# Altium PCB Nucleo Shield.PcbDoc (continued)
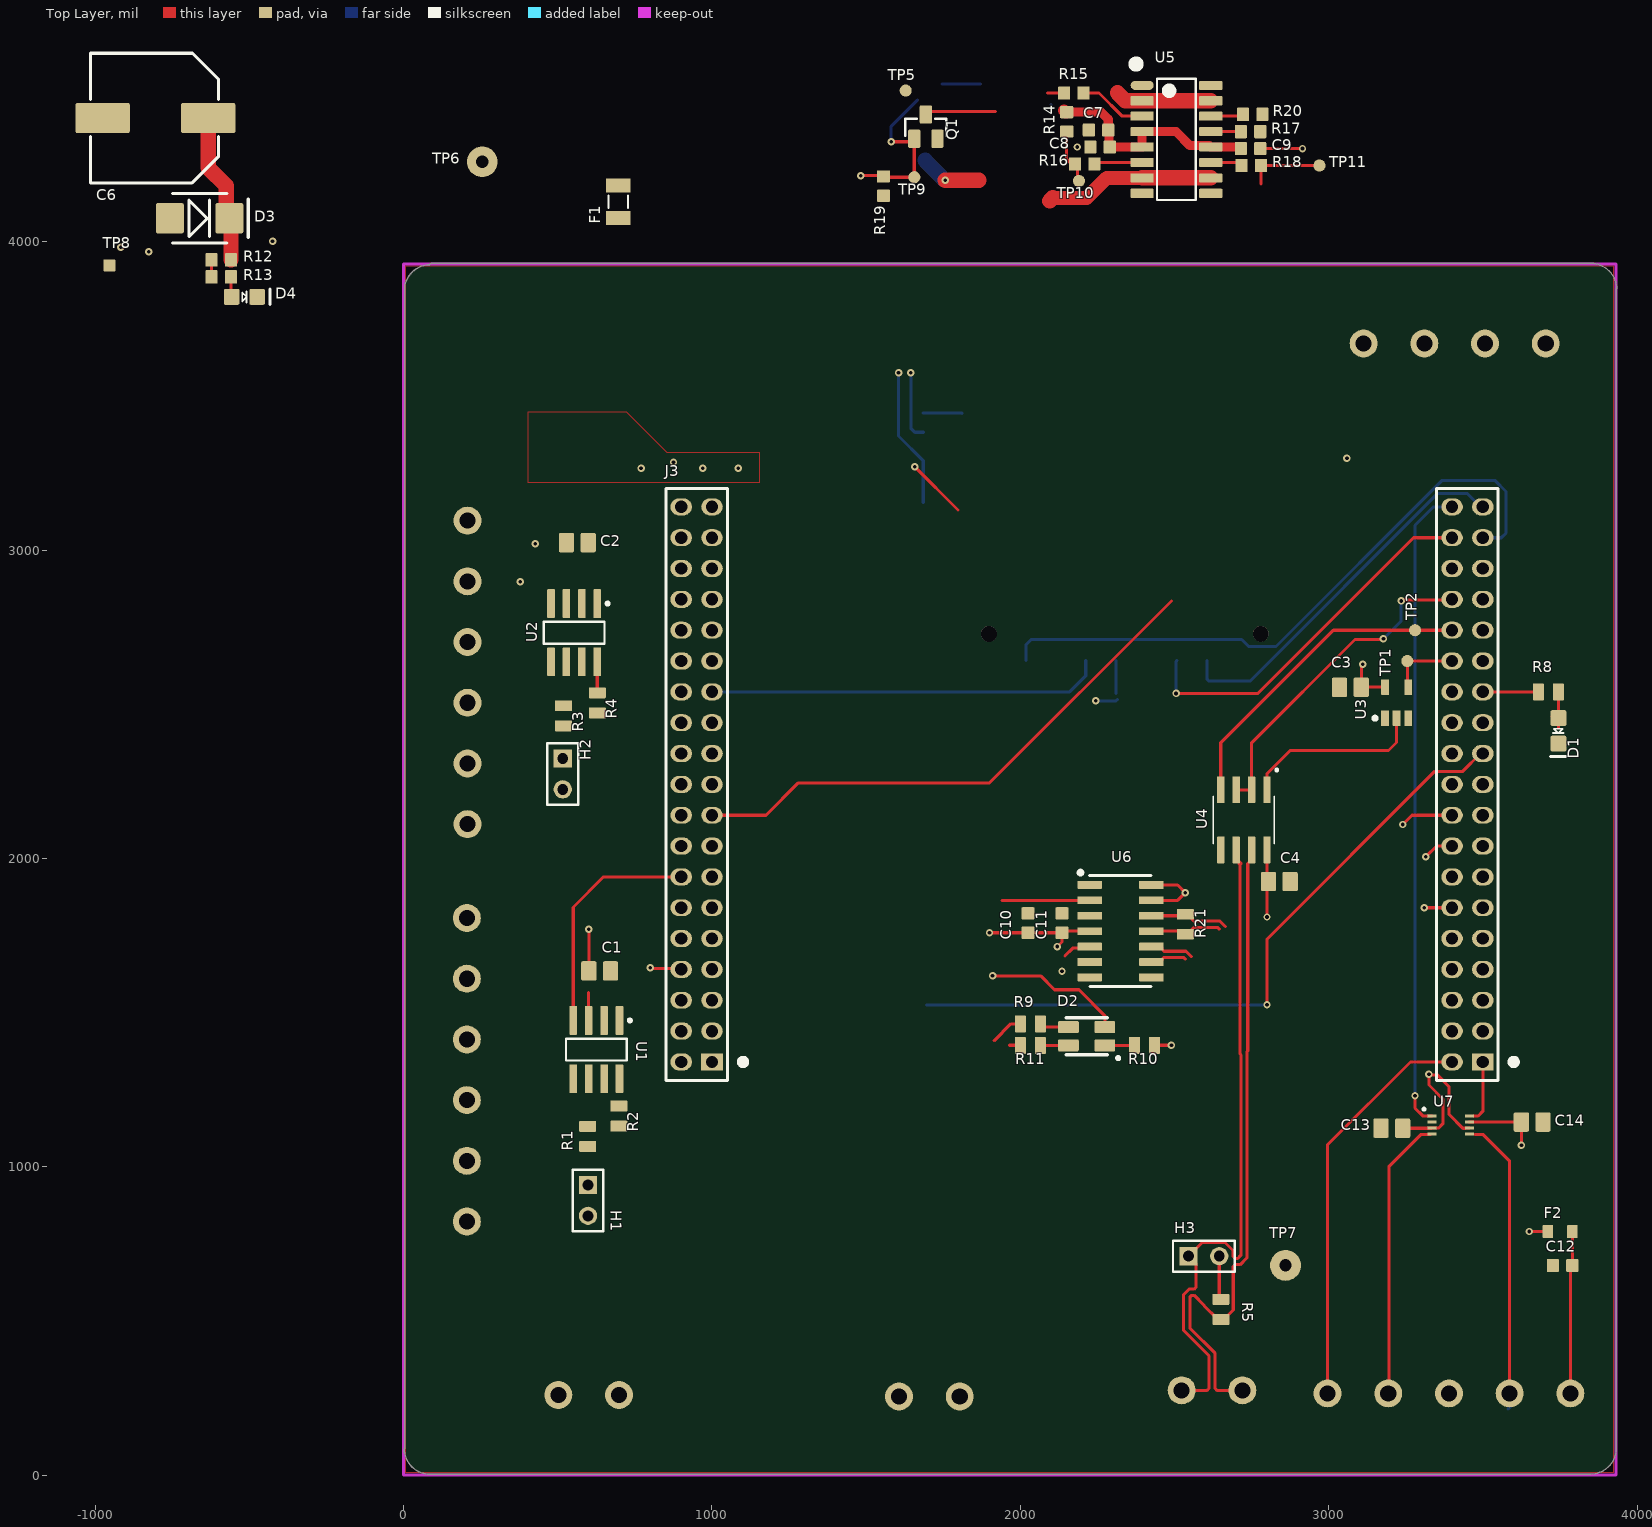
[diagram p0: Top Layer view]
## Components (designator, comment, footprint, x,y, rotation, side; value= is the part's Value field where it differs from the comment)
C1 "CAP_0.1uF_50V_0805" CAP2012 635.76,1635 r0 top value=0.1μF
C2 "CAP_0.1uF_50V_0805" CAP2012 563.24,3024 r0 top value=0.1μF
C3 "CAP_0.1uF_50V_0805" CAP2012 3070.24,2555 r180 top value=0.1μF
C4 "CAP_0.1uF_50V_0805" CAP2012 2839.76,1925 r0 top value=0.1μF
C5 "CAP_0.1uF_50V_0805" CAP2012 2349.76,2515 r180 bottom locked value=0.1μF
C6 "CAP_270uF_50V_ALUM" RADIAL_PANASONIC_G -805,4401 r90 top value=270μF
C7 "CAP_0.1uF_50V_0603" CAP0603 2253.5,4362 r0 top value=0.1μF
C8 "CAP_0.1uF_50V_0603" CAP0603 2258.5,4307 r0 top value=0.1μF
C9 "CAP_0.1uF_50V_0603" CAP0603 2746.5,4302 r0 top value=0.1μF
C10 "CAP_1uF_25V_0603" CAP0603 2025,1790.5 r270 top value=1μF
C11 "CAP_0.1uF_50V_0603" CAP0603 2135,1790.5 r270 top value=0.1μF
C12 "CAP_0.1uF_50V_0603" CAP0603 3758.5,680 r0 top value=0.1μF
C13 "CAP_0.1uF_50V_0805" CAP2012 3204.76,1125 r0 top value=0.1μF
C14 "CAP_0.1uF_50V_0805" CAP2012 3659.76,1145 r0 top value=0.1μF
D1 "LED_GREEN" LED_0805_GREEN 3745,2413.66 r270 top
D2 "LED_RGB" LED_RGB 2215,1423.31 r90 top
D3 "TVS_DIODE_UNIDIR_26V" TVS_DIODE_UNIDIRECTIONAL_SMB -661.46,4076 r180 top
D4 "LED_GREEN" LED_0805_GREEN -516.34,3821 r0 top
F1 "FUSE_5A_1206" FUSE_1206 696,4129.5 r270 top
F2 "FUSE_250mA_0603" FUSE_0603 3750.43,790 r180 top
H1 "JUMPER" HDR1X2 598,941 r270 top
H2 "JUMPER" HDR1X2 516,2324 r270 top
H3 "JUMPER" HDR1X2 2545,710 r0 top
J1 "CON_6POS_SCREW_TERM" 1935200 205,1806.7 r270 bottom
J2 "CON_6POS_SCREW_TERM" 1935200 207,3095.4 r270 bottom
J3 "HEADER_NUCLEO" HEADER_NUCLEO 2200,2240 r180 top locked
J4 "CON_SD_CARD" HRS_DM1AA-SF-PEJ(21) 2335,3230 r0 bottom locked
J5 "CON_4M_TERM" 1935187 3408.57,3670 r180 bottom
J6 "CON_2POS_SCREW_TERM" 1935161 2621.57,275 r180 bottom
J7 "CON_2POS_SCREW_TERM" 1935161 1705,255 r180 bottom
J8 "CON_2POS_SCREW_TERM" 1935161 600,260 r180 bottom
J9 "CON_5POS_SCREW_TERM" 1935190 3390,265 r0 bottom
Q1 "NMOS_30V_2.2A" NMOS_SSOT-3 1693.4,4373.37 r0 top
R1 "RES_120Ω_0805_1%" RESC0805 597,1098.48 r270 top value=120Ω
R2 "RES_0Ω_0805" RESC0805 698,1164.48 r90 top value=0Ω
R3 "RES_120Ω_0805_1%" RESC0805 518,2462.52 r270 top value=120Ω
R4 "RES_0Ω_0805" RESC0805 628,2504.48 r90 top value=0Ω
R5 "RES_120Ω_0805_1%" RESC0805 2650,537.52 r90 top value=120Ω
R6 "RES_10kΩ_0603_5%" RESC0603 1685,3445 r270 bottom locked value=10kΩ
R7 "RES_10kΩ_0603_5%" RESC0603 1685,3092.01 r90 bottom locked value=10kΩ
R8 "RES_120Ω_0805_1%" RESC0805 3712.52,2540 r0 top value=120Ω
R9 "RES_20Ω_0805_1%" RESC0805 2032.52,1463.31 r180 top value=20Ω
R10 "RES_120Ω_0805_1%" RESC0805 2402.48,1394 r180 top value=120Ω
R11 "RES_20Ω_0805_1%" RESC0805 2032.52,1393.31 r180 top value=20Ω
R12 "RES_1kΩ_0603_5%" RESC0603 -622.99,3941 r0 top value=1kΩ
R13 "RES_1kΩ_0603_5%" RESC0603 -560,3886 r180 top value=1kΩ
R14 "RES_1kΩ_0603_5%" RESC0603 2150,4357 r90 top value=1kΩ
R15 "RES_1kΩ_0603_5%" RESC0603 2142.01,4482 r0 top value=1kΩ
R16 "RES_1kΩ_0603_5%" RESC0603 2177.01,4252 r0 top value=1kΩ
R17 "RES_1kΩ_0603_5%" RESC0603 2777.99,4357 r180 top value=1kΩ
R18 "RES_1kΩ_0603_5%" RESC0603 2780,4247 r180 top value=1kΩ
R19 "RES_1kΩ_0603_5%" RESC0603 1556,4149 r90 top value=1kΩ
R20 "RES_1kΩ_0603_5%" RESC0603 2785,4413 r180 top value=1kΩ
R21 "RES_120Ω_0805_1%" RESC0805 2535,1786.48 r90 top value=120Ω
TP1 "TESTPOINT_1MM_CIRCLE" TESTPOINT_CIRCLE_1MM 3255,2640 r270 top
TP2 "TESTPOINT_1MM_CIRCLE" TESTPOINT_CIRCLE_1MM 3280,2740 r270 top
TP5 "TESTPOINT_1MM_CIRCLE" TESTPOINT_CIRCLE_1MM 1628,4490 r180 top
TP6 "TESTPOINT_LOOP" TESTPOINT_LOOP 255,4259 r180 top
TP7 "TESTPOINT_LOOP" TESTPOINT_LOOP 2860,680 r180 top
TP8 "TESTPOINT_1MM_SQUARE" TESTPOINT_SQUARE_1MM -954,3923 r270 top
TP9 "TESTPOINT_1MM_CIRCLE" TESTPOINT_CIRCLE_1MM 1656,4209 r90 top
TP10 "TESTPOINT_1MM_CIRCLE" TESTPOINT_CIRCLE_1MM 2190,4197 r0 top
TP11 "TESTPOINT_1MM_CIRCLE" TESTPOINT_CIRCLE_1MM 2970,4247 r0 top
U1 "IC_CAN_TRANSCEIVER" LT-S8_N 625,1380 r270 top
U2 "IC_CAN_TRANSCEIVER" LT-S8_N 553,2732 r270 top
U3 "IC_BUFFER" SN74LV1T34DBVR 3220,2505 r90 top
U4 "MAX485CSA" SOIC127P600X175-8N 2725,2125 r270 top
U5 "IC_MOTOR_DRIVER_ST" SO-16N 2506.22,4332 r0 top
U6 "MAX3491" MAX3491CSD+T 2325,1764 r0 top
U7 "IC_LVL_SHIFTER_2_CH" TXS0102QDCURQ1 3335,1165 r270 top

## Footprints (in the part's own frame and the unit in brackets; to place one, negate y for a bottom-side part, rotate by r counter-clockwise, add the part's x,y. Pads: shape width x height; smd on the part's side, far side on the other; paste and mask are expansions set on the pad)
1935161 [mm] "TERM BLK 2POS SIDE ENTRY 5MM PCB"
  round 2.3 hole 1.325: 1(-2.5,0) 2(2.5,0)
  silkscreen extent -5.01,-4.57 4.83,3.94, body extent -5.01,-5.06 5.39,3.94, height 11.41
1935187 [mm]
  round 2.3 hole 1.325: 1(-7.5,0) 2(-2.5,0) 3(2.5,0) 4(7.5,0)
  silkscreen extent -10.41,-4.06 9.78,4.32, body extent -10.79,-4.06 9.78,4.94, height 11.41
1935190 [mm]
  round 2.3 hole 1.325: 1(-10,0) 2(-5,0) 3(0,0) 4(5,0) 5(10,0)
  silkscreen extent -12.91,-4.06 12.49,4.32, body extent -13.1,-4.1 12.47,4.9, height 11.41
1935200 [mm]
  round 2.3 hole 1.325: 1(0,0) 2(5,0) 3(10,0) 4(15,0) 5(20,0) 6(25,0)
  silkscreen extent -2.91,-4.06 27.37,4.32, body extent -2.71,-4.45 27.86,4.55, height 11.41
CAP0603 [mm]
  rrect20% 1x1.1 smd: 1(-0.8,0) 2(0.8,0)
  body extent -0.87,-0.48 0.88,0.48, height 0.87
CAP2012 [mm]
  rrect20% 1.25x1.6 smd: 1(-0.895,0) 2(0.895,0)
  body extent -1.1,-0.7 1.1,0.75, height 1.41
FUSE_0603 [mm] "Chip Fuse, Body 1.6x0.81mm"
  rrect15% 0.85x1.09 smd: 1(-1.005,0) 2(1.005,0)
  body extent -0.8,-0.38 0.8,0.38, height 0.75
FUSE_1206 [mil]
  rect 45x80 smd mask+1: 1(-52.5,0) 2(52.5,0)
  silkscreen extent -20,-32 20,32, body extent -65,-32 65,32, height 32
HDR1X2 [mm] "Connector; Header; 2 Position"
  rect 1.5x1.5 hole 0.9: 1(0,0)
  round 1.5 hole 0.9: 2(2.54,0)
  silkscreen extent -1.27,-1.27 3.81,1.27, body extent -1.27,-1.27 3.81,1.27, height 6.35
HEADER_NUCLEO [mil] "Nucleo board's header"
  rect 70x55 hole 40: 1(-1300,900) 39(1200,900)
  oval 70x55 hole 40: 2(-1200,900) 3(-1300,800) 4(-1200,800) 5(-1300,700) 6(-1200,700) 7(-1300,600) 8(-1200,600) 9(-1300,500) 10(-1200,500) 11(-1300,400) 12(-1200,400) 13(-1300,300) 14(-1200,300) 15(-1300,200) 16(-1200,200) 17(-1300,100) 18(-1200,100) 19(-1300,0) 20(-1200,0) 21(-1300,-100) 22(-1200,-100) 23(-1300,-200) 24(-1200,-200) 25(-1300,-300) 26(-1200,-300) 27(-1300,-400) 28(-1200,-400) 29(-1300,-500) 30(-1200,-500) 31(-1300,-600) 32(-1200,-600) 33(-1300,-700) 34(-1200,-700) 35(-1300,-800) 36(-1200,-800) 37(-1300,-900) 38(-1200,-900) 40(1300,900) 41(1200,800) 42(1300,800) 43(1200,700) 44(1300,700) 45(1200,600) 46(1300,600) 47(1200,500) 48(1300,500) 49(1200,400) 50(1300,400) 51(1200,300) 52(1300,300) 53(1200,200) 54(1300,200) 55(1200,100) 56(1300,100) 57(1200,0) 58(1300,0) 59(1200,-100) 60(1300,-100) 61(1200,-200) 62(1300,-200) 63(1200,-300) 64(1300,-300) 65(1200,-400) 66(1300,-400) 67(1200,-500) 68(1300,-500) 69(1200,-600) 70(1300,-600) 71(1200,-700) 72(1300,-700) 73(1200,-800) 74(1300,-800) 75(1200,-900) 76(1300,-900)
  silkscreen extent -1410,-960 1349,960, body extent -1350,-960 1350,960, height 335
HRS_DM1AA-SF-PEJ(21) [mm]
  rect 1.1x2 smd: 1(6.875,14.95) 2(4.375,14.95) 3(1.875,14.95) 4(-0.625,14.95) 5(-3.125,14.95) 6(-5.625,14.95) 7(-8.05,14.95) 8(-9.75,14.95) 9(9.375,14.95)
  rect 2x1 smd: 10(-13.3,3.55) 11(-13.3,-5.4) 12(-13.3,-8)
  rect 2x2 smd: 13(-13.7,8.2) 14(-13.7,-10.45) 15(15.3,-10.45) 16(15.3,8.2)
  round 1.3 hole 1.3 unplated: ""(-11.1,12.75) ""(11.3,12.75)
  silkscreen extent -13.2,-15.25 14.8,16.85, body extent -14.2,-15.25 15.8,15.25, height 2.9
LED_0805_GREEN [mm] "SMD, 2-Leads, Body 2x1.25mm"
  rrect20% 1.3x1.3 smd: 1(-1.05,0) 2(1.05,0)
  silkscreen extent -0.18,-0.63 2.11,0.64, body extent -1,-0.62 1,0.63, height 1.12
LED_RGB [mm]
  rrect20% 1x1.7 smd: 1(-0.75,-1.5) 2(-0.75,1.5) 3(0.75,1.5) 4(0.75,-1.5)
  silkscreen extent -1.92,-2.73 1.53,1.7, body extent -1.4,-1.75 1.4,1.75, height 1.89
LT-S8_N [mm] "SOP, 8-Leads, Body 4.9x3.9mm, Pitch 1.27mm, IPC Medium Density"
  rrect20% 2.375x0.625 smd: 1(-2.4,1.905) 2(-2.4,0.635) 3(-2.4,-0.635) 4(-2.4,-1.905) 5(2.4,-1.905) 6(2.4,-0.635) 7(2.4,0.635) 8(2.4,1.905)
  silkscreen extent -2.52,-2.5 0.9,2.88, body extent -2.91,-2.4 2.87,2.5, height 1.45
MAX3491CSD+T [mil] "RS-422/485 Transceiver footprint (14-SOIC)"
  rrect15% 80x25 smd: 1(-100,150) 2(-100,100) 3(-100,50) 4(-100,0) 5(-100,-50) 6(-100,-100) 7(-100,-150) 8(100,-150) 9(100,-100) 10(100,-50) 11(100,0) 12(100,50) 13(100,100) 14(100,150)
  silkscreen extent -135,-180 98,195, body extent -120,-173 117,173, height 67
NMOS_SSOT-3 [mm] "FDN337N"
  rrect20% 1x1.5 smd: 1(-0.95,-1) 2(0.95,-1) 3(0,1)
  silkscreen extent -1.7,-0.75 1.7,0.66, body extent -1.46,-1.41 1.46,1.1, height 1.12
RADIAL_PANASONIC_G [mm] "Size G radial surface mount capacitor"
  rrect15% 2.5x4.5 smd: 1(0,-4.35) 2(0,4.35)
  silkscreen extent -5.33,-5.21 5.33,5.33, body extent -5.15,-5.8 5.15,5.8, height 10.21
RESC0603 [mm] "Chip Resistor, Body 1.6x0.8mm, IPC Medium Density"
  rrect15% 1x1.1 smd: 1(0,0) 2(1.6,0)
  body extent 0,-0.4 1.6,0.4, height 0.46
RESC0805 [mm] "Chip Resistor, 2-Leads, Body 2.00x1.25mm, IPC High Density"
  rrect15% 0.9x1.4 smd: 1(-0.825,0) 2(0.825,0)
  body extent -1,-0.62 1,0.63, height 0.61
SN74LV1T34DBVR [mm] "SOT-23-5, Unidirectional level shifter"
  rrect15% 1.3x0.63 smd mask+0.05: 1(-1.279,0.95) 2(-1.279,0) 3(-1.279,-0.95) 4(1.279,-0.95) 5(1.279,0.95)
  silkscreen extent -1.42,1.64 -1.14,1.92, body extent -1.4,-1.45 1.4,1.45, height 1.2
SO-16N [mm]
  oval 1.9x0.75 smd: 1(-2.825,4.445)
  rrect15% 1.9x0.75 smd: 2(-2.825,3.175) 3(-2.825,1.905) 4(-2.825,0.635) 5(-2.825,-0.635) 6(-2.825,-1.905) 7(-2.825,-3.175) 8(-2.825,-4.445) 9(2.825,-4.445) 10(2.825,-3.175) 11(2.825,-1.905) 12(2.825,-0.635) 13(2.825,0.635) 14(2.825,1.905) 15(2.825,3.175) 16(2.825,4.445)
  silkscreen extent -3.45,-5 1.6,6.32, body extent -3,-5 3,5, height 1.75
SOIC127P600X175-8N [mm]
  rrect15% 2.2x0.6 smd: 1(-2.475,1.905) 2(-2.475,0.635) 3(-2.475,-0.635) 4(-2.475,-1.905) 5(2.475,-1.905) 6(2.475,-0.635) 7(2.475,0.635) 8(2.475,1.905)
  silkscreen extent -4.2,-2.51 1.95,2.8, body extent -3,-2.45 3,2.45, height 1.75
TESTPOINT_CIRCLE_1MM [mm]
  round 1 smd: 1(0,0)
TESTPOINT_LOOP [mm]
  round 2.54 hole 1.02: 1(0,0)
  body extent -1.27,-1.27 1.27,1.27, height 4.57
TESTPOINT_SQUARE_1MM [mm]
  rrect20% 1x1 smd: 1(0,0)
TVS_DIODE_UNIDIRECTIONAL_SMB [mm] "SMBJ26A"
  rrect15% 2.3x2.5 smd: 1(-2.45,0) 2(2.45,0)
  silkscreen extent -4,-2.03 2.25,2.03, body extent -2.7,-1.8 2.7,1.8, height 2.27
TXS0102QDCURQ1 [mm]
  rect 0.25x0.75 smd: 1(0,0) 2(0.5,0) 3(1,0) 4(1.5,0) 5(1.5,3.1) 6(1,3.1) 7(0.5,3.1) 8(0,3.1)
  silkscreen extent -0.66,-0.76 -0.46,-0.56, body extent -0.29,0.1 1.81,3.2, height 0.9

## Part data
C1 C2 C3 C4 C5 C13 C14: "CAP CER 0.1UF 50V X7R 0805", Dielectric=X7R, LCSC Part #=C49678, Manufacturer 1="Murata Electronics", Manufacturer Part Number 1=GCM21BR71H104KA37K, Package/Footprint=0805, Supplier Part Number 1=490-8049-1-ND, Voltage Rating=50V, Mounting Type=SMD, Supplier 1=Digi-Key
C6: "CAP ALUM 270uF 50VDC 20% SMD", Manufacturer 1="Panasonic Electronic Components", Manufacturer Part Number 1=EEE-FN1H271UP, Package/Footprint=SMD, Supplier Part Number 1=10-EEE-FN1H271UPCT-ND, Voltage Rating=50V, Mounting Type=SMD, Supplier 1=Digi-Key
C7 C8 C9 C11 C12: "CAP CER 0.1UF 50V X7R 0603", Dielectric=X7R, Manufacturer 1=Yageo, Manufacturer Part Number 1=CC0603KRX7R9BB104, Package/Footprint=0603, Supplier Part Number 1=311-1344-1-ND, Voltage Rating=50V, Mounting Type=SMD, Supplier 1=Digi-Key
C10: "CAP CER 1UF 25V X5R 0603", Dielectric=X5R, Manufacturer 1=Samsung, Manufacturer Part Number 1=CL10A105KA8NNNC, Package/Footprint=0603, Supplier Part Number 1=1276-1102-1-ND, Voltage Rating=25V, Mounting Type=SMD, Supplier 1=Digi-Key
D1 D4: "LED GREEN DIFFUSED 0805 SMD", Forward Voltage Drop=2.2V, Manufacturer 1=OSRAM, Manufacturer Part Number 1="LG R971-KN-1", Package/Footprint=0805, Supplier Part Number 1=475-1410-1-ND, Mounting Type=SMD, Supplier 1=Digi-Key
D2: "LED RGB DIFFUSED 4PLCC SMD", Color=Blue,Green,Red, Forward Voltage=3.1V, Lens Color=White, Manufacturer 1=Broadcom, Manufacturer Part Number 1=ASMB-MTB1-0A3A2, Package/Footprint=4-PLCC, Supplier Part Number 1=516-3280-1-ND, Test Current=20mA, Dominant Wavelength=470nm, Lens Style=Round, Lens Transparency=Diffused, Luminous Intensity=350mcd, Mounting Type=SMD, Number of Pins=4, Supplier 1=Digi-Key, Viewing Angle=115°
D3: "TVS DIODE 26V 42.1V SMB", Manufacturer 1=Littelfuse, Manufacturer Part Number 1=SMBJ26A, Package/Footprint=SMB, Supplier Part Number 1=SMBJ26ALFCT-ND, Mounting Type=SMD, Supplier 1=Digi-Key, Verified=No
F1: "FUSE BOARD MNT 5A 32VAC/VDC 1206", Current Rating=5A, Manufacturer 1=Littelfuse, Manufacturer Part Number 1=0466005.NRHF, Package/Footprint=1206, Supplier Part Number 1=F6019CT-ND, Mounting Type=SMD, Supplier 1=Digi-Key
F2: "FUSE SMD 250mA 32V", Current Rating=250mA, Manufacturer 1=Littelfuse, Manufacturer Part Number 1=0467.250NRHF, Package/Footprint=0603, Supplier Part Number 1=F6020CT-ND, Voltage Rating (DC)=32V, Mounting Type=SMD, Supplier 1=Digi-Key
H1 H2 H3: "HEADER 2X1", Manufacturer 1="Harwin Inc.", Manufacturer Part Number 1=M20-9990246, Package/Footprint=TH, Supplier Part Number 1=952-2262-ND, Mounting Type=TH, Supplier 1=Digi-Key
J1 J2: "TERM BLK 6POS SIDE ENTRY 5MM", Manufacturer 1="Phoenix Contact", Manufacturer Part Number 1=1935200, Package/Footprint=TH, Supplier Part Number 1=277-1581-ND, Mounting Type=TH, Pitch=5mm, Screw Thread=M2.6, Supplier 1=Digi-Key, Wire Gauge=12-26AWG
J3: "CONN HDR 38POS 0.1 GOLD PCB", Manufacturer 1=Sullins, Manufacturer Part Number 1=PPPC192LFBN-RC, Package/Footprint=TH, Supplier Part Number 1=S7122-ND, Mounting Type=TH, Supplier 1=Digi-Key, Verified=No
J4: "CONN SD CARD PUSH-PUSH R/A SMD", Manufacturer 1="Hirose Electric Co Ltd", Manufacturer Part Number 1=DM1AA-SF-PEJ(21), Supplier Part Number 1=HR845CT-ND, Supplier 1=Digi-Key
J5: "TERM BLK 4POS SIDE ENTRY 5MM PCB", Manufacturer 1="Phoenix Contact", Manufacturer Part Number 1=1935187, Package/Footprint=TH, Supplier Part Number 1=277-1579-ND, Mounting Type=TH, Pitch=5mm, Screw Thread=M2.6, Supplier 1=Digi-Key, Wire Gauge=12-26AWG
J6 J7 J8: "TERM BLK 2POS SIDE ENTRY 5MM", Manufacturer 1="Phoenix Contact", Manufacturer Part Number 1=1935161, Package/Footprint=SMD, Supplier Part Number 1=277-1667-ND, Mounting Type=TH, Supplier 1=Digi-Key
J9: "TERM BLK 5POS SIDE ENTRY 5MM", Manufacturer 1="Phoenix Contact", Manufacturer Part Number 1=1935190, Package/Footprint=TH, Supplier Part Number 1=277-1580-ND, Mounting Type=TH, Supplier 1=Digi-Key
Q1: "MOSFET N-CH 30V 2.2A SUPERSOT3", Manufacturer 1="ON Semiconductor / Fairchild", Manufacturer Part Number 1=FDN337N, Package/Footprint=SuperSOT-3, Supplier Part Number 1=FDN337NCT-ND, Id=2.2A, Mounting Type=SMD, Supplier 1=Digi-Key, Vdss=30V, Verified=No, Vgs (Max)=±8V
R1 R3 R5 R8 R10 R21: "RES 120 OHM 1% 1/8W 0805", LCSC Part #=C17437, Manufacturer 1=Vishay, Manufacturer Part Number 1=CRCW0805120RFKEA, Package/Footprint=0805, Supplier Part Number 1=541-120CCT-ND, Mounting Type=SMD, Supplier 1=Digi-Key
R2 R4: "RES 0 OHM JUMPER 1/8W 0805", LCSC Part #=C17477, Manufacturer 1="Panasonic Electronic Components", Manufacturer Part Number 1=ERJ-6GEY0R00V, Package/Footprint=0805, Supplier Part Number 1=P0.0ACT-ND, Mounting Type=SMD, Supplier 1=Digi-Key
R6 R7: "RES 10K OHM 5% 1/10W 0603", Manufacturer 1=Yageo, Manufacturer Part Number 1=RC0603JR-0710KL, Package/Footprint=0603, Supplier Part Number 1=311-10KGRCT-ND, Mounting Type=SMD, Supplier 1=Digi-Key
R9 R11: "RES 20 OHM 1% 1/8W 0805", LCSC Part #=C17581, Manufacturer 1=Yageo, Manufacturer Part Number 1=RC0805FR-0720RL, Package/Footprint=0805, Supplier Part Number 1=311-20.0CRCT-ND, Mounting Type=SMD, Supplier 1=Digi-Key
R12 R13 R14 R15 R16 R17 R18 R19 R20: "RES 1K OHM 5% 1/10W 0603", Manufacturer 1=Yageo, Manufacturer Part Number 1=RC0603JR-071KL, Package/Footprint=0603, Supplier Part Number 1=311-1.0KGRCT-ND, Mounting Type=SMD, Supplier 1=Digi-Key
TP1 TP2 TP5 TP9 TP10 TP11: "TESTPOINT 1MM CIRCLE"
TP6 TP7: "TESTPOINT THRUHOLE", Manufacturer 1="Keystone Electronics", Manufacturer Part Number 1=5002, Package/Footprint=TH, Supplier Part Number 1=36-5002-ND, Mounting Type=TH, Supplier 1=Digi-Key
TP8: "TESTPOINT 1MM SQUARE"
U1 U2: "IC TXRX CAN 4MBPS 8SO", LCSC Part #=C117076, Manufacturer 1="Linear Technologies", Manufacturer Part Number 1=LTC2875IS8#PBF, Package/Footprint=8-SOIC, Supplier Part Number 1=LTC2875IS8#PBF-ND, Mounting Type=SMD, Supplier 1=Digi-Key
U3: "IC BUF NON-INVERT 5.5V SOT23-5", LCSC Part #=C100024, Manufacturer 1="Texas Instruments", Manufacturer Part Number 1=SN74LV1T34DBVR, Package/Footprint=SOT-23-5, Supplier Part Number 1=296-37176-1-ND, Mounting Type=SMD, Supplier 1=Digi-Key
U4: "IC RS485 TRANSCEIVER HALF 1/1 8SOIC", LCSC Part #=C9945, Manufacturer 1="Maxim Integrated", Manufacturer Part Number 1=MAX485CSA+T, Package/Footprint=8-SOIC, Supplier Part Number 1=MAX485CSA+TCT-ND, Supply Voltage="4.75V - 5.25V", Data Rate=2.5Mbps, Mounting Type=SMD, Protocol="RS422, RS485", Supplier 1=Digi-Key
U5: "IC MOTOR DRIVER 4V-28V 16SOIC", Manufacturer 1=STMicroelectronics, Manufacturer Part Number 1=VNH7070BASTR, Output Current=15A, Package/Footprint=16-SOIC, Supplier Part Number 1=497-17628-1-ND, Mounting Type=SMD, Supplier 1=Digi-Key, Verified=Yes
U6: "IC RS485 TRANSCEIVER FULL 1/1 14SOIC", Manufacturer 1=Maxim, Manufacturer Part Number 1=MAX3491CSD+T, Package/Footprint=14-SOIC, Supplier Part Number 1=MAX3491CSD+CT-ND, Mounting Type=SMD, Supplier 1=Digi-Key
U7: "IC TRNSLTR BIDIRECTIONAL US8", Manufacturer 1="Texas Instruments", Manufacturer Part Number 1=TXS0102QDCURQ1, Max Operating Temperature=125°C, Max Supply Voltage=4.6V, Min Operating Temperature=-40°C, Min Supply Voltage=-0.5V, Package Body Material=Plastic, Package Code=VSSOP, Package Shape=Rectangular, Package Style="SMALL OUTLINE, VERY THIN PROFILE, SHRINK PITCHMeter", Peak Reflow Temperature (Cel)=260°C, Supplier Part Number 1=296-37938-1-ND, Supply Voltage-Nom=3.3V, Temperature Grade=AUTOMOTIVE, Category="Interface ICs", ComponentLink1Description=https://www.ti.com:443/lit/ds/symlink/txs0102-q1.pdf?src-supplier=IHS+Markit, ComponentLink1URL=https://www.ti.com:443/lit/ds/symlink/txs0102-q1.pdf?src-supplier=IHS+Markit, ComponentLink2Description=https://datasheet.ciiva.com/48438/txs0102-q1-48438266.pdf?src-supplier=Avnet, ComponentLink2URL=https://datasheet.ciiva.com/48438/txs0102-q1-48438266.pdf?src-supplier=Avnet, Height - Seated (Max)=0.9mm, Interface IC Type="INTERFACE CIRCUIT", JESD-30 Code=R-PDSO-G8, JESD-609 Code=e4, Length=2.3mm, Moisture Sensitivity Level=2, Number of Functions=1, Number of Pins=8, Pricing 1="1=0.82000, 10=0.71900, 25=0.67600, 100=0.55150, 250=0.51232, 500=0.43600, 1000=0.34880 (USD)", RoHS=Yes, Stock 1=25079, Supplier 1=Digi-Key, Surface Mount=Yes, Terminal Finish=Nickel, Terminal Form="Gull Wing", Terminal Pitch=0.5mm, Terminal Position=DUAL, Width=2mm

## Via types
v1: diameter 24, hole 12, Top Layer to Bottom Layer, tented both sides, 40 vias

## Nets (pads, with @x,y where several pads share a name; then routed paths per layer and width w, separated by ;. In a path a pad name is that pad's centre, name@x,y a point inside that pad or via, vN(x,y) a via of type N, cw(c..) or ccw(c..) an arc to the next point about the centre after c; other vN are vias at no path point)
3V3: C1.1 C2.1 C3.1 C5.2 C10.2 C11.2 C13.2 D2.4 J3.12 J3.16 J4.4 R6.2 R7.2 U1.3 U2.3 U3.5 U6.4 U6.13 U6.14 U7.3 U7.6 | length 3068.1
  Top Layer w10: U1.3 600,1565 ; C1.1 v1(600.53,1770) ; v1(1900,1759) C10.2 C11.2 ; v1(1910,1619) 2065.86,1619 2110.86,1574 2190,1574 2274.06,1489.94 D2.4 ; v1(2120,1714) 2135,1729 C11.2 ; U6.4 2140,1764 C11.2 ; U6.13 2510,1864 v1(2535,1889) 2510,1914 U6.14 ; C3.1 3105.83,2555.35 3105.83,2621.57 3110.47,2626.21 v1(3110.47,2630) ; C3.1@3110.35,2555.35 3115,2555.35 U3.5 ; C13.2 3332.95,1125 3332.95,1125.39 3355.98,1125.39 3370,1139.42 3370,1220 3325,1265 v1(3325,1300) 3327,1298 3352,1298 3390,1260 3390,1170 3435,1125 3443.28,1125 3443.84,1125.55 U7.6 U7.6 ; v1(3310,1840) J3.12 ; v1(3315,2005) 3350,2040 J3.16
  Bottom Layer w10: v1(1605,3575) 1605,3370 1685,3290 R7.2 ; v1(1645,3575) 1645,3395 1657.99,3382.01 R6.2 ; v1(2244.09,2510.91) 2310.44,2510.91 C5.2 ; C5.2@2310,2535 2310,2641.02 J4.4
  other v1: 427,3020
5V: C4.1 C14.1 F2.2 J3.18 J3.46 U4.8 U7.7 | length 800.9
  Top Layer w10: v1(800,1645) 802.5,1642.5 897.5,1642.5 J3.46 ; v1(2800,1810) 2800,1920.47 C4.1 2800,1929.53 U4.8 ; v1(3240,2110) 3270,2140 J3.18 ; U7.7@3455,1144.69 3624.21,1144.69 3625,1143.9 v1(3625,1070) ; v1(3650,790) F2.2
BISS_A_CLK_N: J8.1 U6.10 | length 144.5
  Top Layer w10: U6.10 2452.5,1714 2460,1706.5 2460,1704.86 2465.86,1699 2537.43,1699 2555,1681.43
BISS_A_CLK_P: J8.2 U6.9 | length 119.6
  Top Layer w10: U6.9 2452.5,1664 2460,1671.5 2460,1673.14 2465.86,1679 2529.14,1679 2535,1673.14
BISS_A_DATA_N: J7.2 R21.1 U6.11 | length 238.2
  Top Layer w10: U6.11 2525,1764 R21.1 2544.84,1754 2557.56,1766.72 2557.56,1770.62 2563.42,1776.48 2639.14,1776.48 2645,1770.62
BISS_A_DATA_P: J7.1 R21.2 U6.12 | length 260.9
  Top Layer w10: U6.12 2530.04,1814 R21.2 2544.84,1818.96 2557.56,1806.24 2557.56,1802.34 2563.42,1796.48 2647.43,1796.48 2665,1778.91
CANA_N: H1.2 J1.1 J1.5 U1.6
CANA_P: J1.2 J1.4 R1.1 U1.7
CANB_N: H2.2 J2.1 J2.5 U2.6
CANB_P: J2.2 J2.4 R3.1 U2.7
GND: C1.2 C2.2 C3.2 C4.2 C5.1 C6.2 C7.1 C8.1 C9.2 C10.1 C11.1 C12.1 C13.1 C14.2 D1.2 D3.2 D4.2 J1.3 J1.6 J2.3 J2.6 J3.8 J3.19 J3.20 J3.22 J3.47 J3.58 J4.3 J4.6 J4.12 J4.13 J5.4 J9.3 Q1.2 R2.1 R4.1 R17.1 R19.1 R20.1 TP7.1 TP8.1 U1.2 U2.2 U3.3 U4.5 U5.1 U5.8 U5.9 U5.16 U6.3 U6.6 U6.7 U7.2 | length 137
  Top Layer w10: C9.2 v1(2915,4302)
  other v1: 2135,1634 2185,4307
MOTOR_DIR: J3.67 Q1.1 R15.1 R19.2 TP9.1 | length 790.9
  Top Layer w10: v1(1482.51,4213.5) 1483.01,4214 1553.99,4214 R19.2 ; R19.2@1566,4209 TP9.1 Q1.1 1646,4324 v1(1581,4324) ; v1(1658,3270) 1798,3130 ; 2088,4482 R15.1
  Bottom Layer w10: v1(1581,4324) 1581,4374 1666,4459
MOTOR_PWM: J3.55 R18.1 TP11.1 | length 2027.9
  Top Layer w10: J3.55 1175,2140 1280,2245 1900,2245 2490,2835 ; 2780,4187 R18.1 TP11.1
NetC12_2: C12.2 F2.1 J9.5 | length 542.6
  Top Layer w10: J9.5@3783.7,250 3783.7,673.7 C12.2 F2.1
NetD1_1: D1.1 R8.2 | length 128.3
  Top Layer w10: D1.1@3725,2460 3744.96,2440.04 3744.96,2424.96 ; D1.1 R8.2
NetD2_1: D2.1 R10.2 | length 96.7
  Top Layer w10: D2.1 2369.78,1393.78 R10.2 R10.2@2369.53,1394.47
NetD2_2: D2.2 R11.1 | length 91.1
  Top Layer w10: R11.1 2065.47,1393.78 D2.2
NetD2_3: D2.3 R9.1 | length 95.3
  Top Layer w10: R9.1 2074.81,1453.49 2155.29,1453.49 D2.3
NetD4_1: D4.1 R13.1 | length 66
  Top Layer w10: R13.1 -560,3823.32 D4.1
NetH1_1: H1.1 R1.2
NetH2_1: H2.1 R3.2 | length 7.1
  Top Layer w10: H2.1@510.96,2322.04 H2.1@516,2317
NetH3_2: H3.2 R5.2 | length 142.1
  Top Layer w10: H3.2 2645,575 R5.2
NetJ3_1: J3.1 U7.8 | length 196.3
  Top Layer w10: U7.8@3470,1164.69 3484.69,1164.69 3500,1180 J3.1
NetJ3_2: J3.2 J9.1 | length 1336.3
  Top Layer w10: J9.1@2996.3,250 2996.3,1071.3 3265,1340 J3.2
NetJ3_21: J3.21 R10.1 | length 2322.5
  Top Layer w10: R10.1 v1(2490,1394) ; v1(2800,1525) 2800,1738.18 3344.32,2282.5 3435,2282.5 3492.5,2340 J3.21
  Bottom Layer w10: 1695,1525 v1(2800,1525)
NetJ3_25: J3.25 R8.1 | length 180
  Top Layer w10: J3.25 R8.1
NetJ3_28: J3.28 TP1.1 U3.4 | length 230.6
  Top Layer w10: U3.4 3256.2,2556.56 3256.2,2638.8 TP1.1 J3.28
NetJ3_30: J3.30 TP2.1 U4.4 | length 1053.7
  Top Layer w10: U4.4 2650,2375 3015,2740 TP2.1 J3.30
NetJ3_32: J3.32 U4.2 U4.3 | length 1083.2
  Top Layer w10: U4.3 U4.2 2750,2375 3085,2710 3175,2710 v1(3177.5,2712.5) ; v1(3235,2835) 3237.5,2837.5 3397.5,2837.5 J3.32
  Bottom Layer w10: v1(3177.5,2712.5) 3235,2770 v1(3235,2835)
NetJ3_35: J3.35 J4.7 | length 2078.3
  Bottom Layer w10: J4.7 2018.07,2693.07 2035,2710 2717.75,2710 2740.31,2687.44 2829.16,2687.44 3366.72,3225 3540,3225 3575,3190 3575,3055 3560,3040 J3.35
NetJ3_36: J3.36 J4.2 | length 1211.5
  Top Layer w10: v1(2505,2535) 2770,2535 3275,3040 J3.36
  Bottom Layer w10: v1(2505,2535) 2505,2639.17 J4.2
NetJ3_37: J3.37 J4.1 | length 1227.6
  Bottom Layer w10: J4.1 2605.67,2580.86 2611.53,2575 2745,2575 3353.75,3183.75 3448.75,3183.75 3492.5,3140 J3.37
NetJ3_38: J3.38 U7.1 | length 2107.3
  Top Layer w10: v1(3280,1230) 3280,1190 3305,1165 U7.1
  Bottom Layer w10: v1(3280,1230) 3280,3080 3340,3140 J3.38 J3.38@3395,3145
NetJ3_41: J3.41 R11.2 | length 41.4
  Top Layer w10: 1965,1394 1999.34,1394 R11.2 R11.2@1995.73,1389
NetJ3_43: J3.43 R9.2 | length 107.5
  Top Layer w10: 1915,1409 1969.3,1463.31 R9.2
NetJ3_49: J3.49 U6.5 | length 92.4
  Top Layer w10: 2145,1684 2170,1709 2220,1709 U6.5
NetJ3_50: J3.50 U1.1 | length 0.5
  Top Layer w10: U1.1 U1.1@700.38,1474.87
NetJ3_51: J3.51 U6.2 | length 285
  Top Layer w10: 1940,1864 U6.2
NetJ3_52: J3.52 U1.4 | length 758.6
  Top Layer w10: U1.4 550,1840 549.14,1840.86 648.28,1940 J3.52
NetJ3_54: J3.54 U2.4
  other v1: 378,2897
NetJ3_63: J3.63 J4.5 | length 1282.9
  Bottom Layer w10: J3.63 2160,2540 2211.97,2591.97 J4.5
NetJ3_68: J3.68 U2.1
NetJ4_10: J4.10 R7.1 | length 127.1
  Bottom Layer w10: 1746,4511.01 1870.61,4511.01 ; 2099.61,4444.01 2101.38,4442.24
NetJ4_11: J4.11 R6.1 | length 127.4
  Bottom Layer w10: R6.1 1808.98,3445 J4.11
NetJ9_2: J9.2 U7.4 | length 929.3
  Top Layer w10: J9.2@3193.15,250 3195,251.85 3195,1000 3300,1105 U7.4@3330,1105
NetJ9_4: J9.4 U7.5 | length 927.5
  Top Layer w10: 3475,1105 3500,1105 3586.85,1018.15 J9.4@3586.85,250
  Bottom Layer w10: 3581.85,215 J9.4@3590,223.15
NetR2_2: R2.2 U1.8
NetR4_2: R4.2 U2.8 | length 100.6
  Top Layer w10: R4.2 U2.8
NetR12_1: R12.1 R13.2 | length 55
  Top Layer w10: R13.2 R12.1
NetR15_2: R15.2 U5.3 | length 236.4
  Top Layer w10: R15.2@2210.86,4476.14 R15.2 2255,4482 2330,4407 U5.3 U5.3@2390,4412
NetR16_2: R16.2 U5.6 | length 145
  Top Layer w10: R16.2@2250,4257 U5.6
NetR17_2: R17.2 U5.13 | length 97.6
  Top Layer w10: U5.13 R17.2
NetR18_2: R18.2 U5.11 | length 103.7
  Top Layer w10: U5.11 2707.01,4257 R18.2
NetR20_2: R20.2 U5.14 | length 101.6
  Top Layer w10: U5.14 R20.2@2712.01,4407 ; R20.2@2717.01,4408 R20.2
NetU3_2: U3.2 U4.1 | length 593.1
  Top Layer w10: U4.1 2800,2275 2875,2350 3194.14,2350 3220,2375.86 U3.2
nMOTOR_DIR: Q1.3 R14.1 R16.1 TP10.1 | length 431
  Top Layer w10: Q1.3 1703.46,4422.8 1919.8,4422.8 ; Q1.3@1696,4427.17 Q1.3@1701.35,4421.82 ; R14.1@2148.8,4355.8 R14.1 2150,4267 2165,4252 R16.1 2182.01,4252 R16.1@2187.01,4257 ; TP10.1@2185,4192 2185,4244.99 R16.1@2187.01,4247
OUTA: J5.1 U5.2 U5.15 | length 313.2
  Top Layer w50: 2315,4482.86 2340.86,4457 U5.15
OUTB: J5.2 U5.7 U5.10 | length 755.4
  Top Layer w45: 2105,4142 2215,4142 2280,4207 U5.7
  Top Layer w50: v1(1756,4199) 1866,4199 ; 2095,4132 2105,4142 ; U5.7 U5.10
  Bottom Layer w50: 1691,4264 v1(1756,4199)
RS-485_N: J6.1 R5.1 U4.7 | length 2136.7
  Top Layer w10: J6.1 2637.43,275 2631.57,280.86 2631.57,395.07 2549.53,477.12 2549.53,577.19 2555.39,583.05 2563.67,583.05 2595.56,551.16 2595.56,549.64 2640.16,505.04 R5.1 2659.84,505.04 2690.56,535.76 2690.56,676.7 2696.42,682.56 2712.99,682.56 2735,704.57 2735,1373.37 2737.5,1375.87 2737.5,1983.56 2750,1996.06 U4.7
RS-485_P: H3.1 J6.2 U4.6 | length 2136.7
  Top Layer w10: J6.2 2605.72,275 2611.57,280.86 2611.57,386.79 2529.53,468.84 2529.53,585.48 2547.1,603.05 2563.67,603.05 2569.53,608.91 2569.53,685.47 H3.1 2589.53,754.53 2663.44,754.53 2689.53,728.44 2689.53,709.45 2696.42,702.56 2704.7,702.56 2715,712.86 2715,1363.02 2712.5,1365.52 2712.5,1983.56
  Top Layer w15: U4.6 2700,1996.06 2712.5,1983.56
VBAT: F1.1 J5.3 TP6.1
VBAT_FUSED: C6.1 C7.2 C8.2 C9.1 D3.1 F1.2 R12.2 R14.2 TP5.1 U5.4 U5.5 U5.12 | length 1232.3
  Top Layer w29.53: R14.2 2262.01,4419.99 2285,4397 C7.2 2287.5,4359.5 2287.5,4309.5 C8.2 U5.5 U5.4 2505,4357 2550,4312 2612.44,4312 U5.12 2710,4307 C9.1
  Top Layer w39.37: R14.2@2142.02,4426 2148.03,4419.99 R14.2
  Top Layer w50: C6.1 -633.74,4239.74 -575,4181 -575,4068.09 -560,4034.02 R12.2
  other v1: 770,3265 970,3265 1085,3265 875,3285 3059,3298 -827,3967 -917,3982 -425,4001
pads on no net: J3.3 J3.4 J3.5 J3.6 J3.7 J3.9 J3.10 J3.11 J3.13 J3.14 J3.15 J3.17 J3.23 J3.24 J3.26 J3.27 J3.29 J3.31 J3.33 J3.34 J3.39 J3.40 J3.42 J3.44 J3.45 J3.48 J3.53 J3.56 J3.57 J3.59 J3.60 J3.61 J3.62 J3.64 J3.65 J3.66 J3.69 J3.70 J3.71 J3.72 J3.73 J3.74 J3.75 J3.76 J4. J4.8 J4.9 J4.14 J4.15 J4.16 U1.5 U2.5 U3.1 U6.1 U6.8

## Polygon pours and split planes (outlines as drawn)
3V3 on Power "NONET_L03_P025" (solid, shelved, pour order 25): 0,15 3920,15 3925,10 3925,3920 5,3920 0,3915
5V on Power "NONET_L03_P024" (solid, shelved, pour order 24): 750,1695 750,1585 2585,1585 3430,740 3745,740 3750,745 3750,1240 3345,1240 3245,1340 3245,2025 3310,2090 3445,2090 3445,2185 3450,2190 3005,2190 2835,2360 2600,2360 2565,2325 2565,2065 2185,1705 2170,1700 745,1700
VBAT_FUSED on Power "NONET_L03_P023" (solid, shelved, pour order 23): 635,3435 635,3200 1170,3200 1440,2930 1820,2930 2020,2730 2395,2730 2595,2930 2595,3190 1485,3190 1240,3435
VBAT_FUSED on Top Layer "NONET_L01_P021" (solid, shelved, pour order 21): 403.19,3446.09 402.5,3445.4 402.5,3220 1155,3220 1155,3315 855,3315 723.91,3446.09
GND on Top Layer "NONET_L01_P022" (solid, shelved, pour order 22): 0,3925 5,3920 5,10 3925,10 3925,3920 0,3920
GND on GND "NONET_L02_P026" (solid, shelved, pour order 26): 5,3940 -5,3930 -5,10 3945,10 3940,15 3940,3940
GND on Bottom Layer "NONET_L04_P027" (solid, shelved, pour order 27): 0,3945 -5,3940 -5,25 3940,25 3945,30 3945,3955 0,3955 -5,3960

## Keep-outs
Keep-Out Layer:
  lines w10: 0,1 0,3927 3932,3927 3932,1 0,1

## Silkscreen, mask and mechanical layers (free items; w line width, h text height)
Top Overlay:
Bottom Overlay:
  text "MOTOR CONTROLLER" at 991,4009.64 h60
  text "CAN BUS A" at 424.36,2392 h60 r90
  text "CAN BUS B" at 426.36,1130 h60 r90
  text "BISS CLK" at 655,464.64 h60
  text "RS 485" at 2805,450.64 h60
  text "BROADCOM ENCODER" at 3865,445.64 h60
  text "BISS DATA" at 1775,440.64 h60
Mechanical 1:
  lines w10: 3850.59,2.75 76.01,2.75 75.99,2.78 cw(c86.97,86.97) 2.12,84.05 3,3852 cw(c84.02,3848.3) 87.71,3929.32 3860.08,3929.32 cw(c3858.63,3850.94) 3937,3849.49 3937,3834 3932.25,77.01 cw(c3848,88) 3850.93,3.09